# Altium PCB WS485H-V3.PcbDoc
Units mm, origin at the board's own origin, x right, y up, seen from the top; angles counter-clockwise.
Board outline 80.13 x 50.13 mm, 2 copper layers (TopLayer, BottomLayer); 104 components, 75 nets, 340 pads, 455 vias.
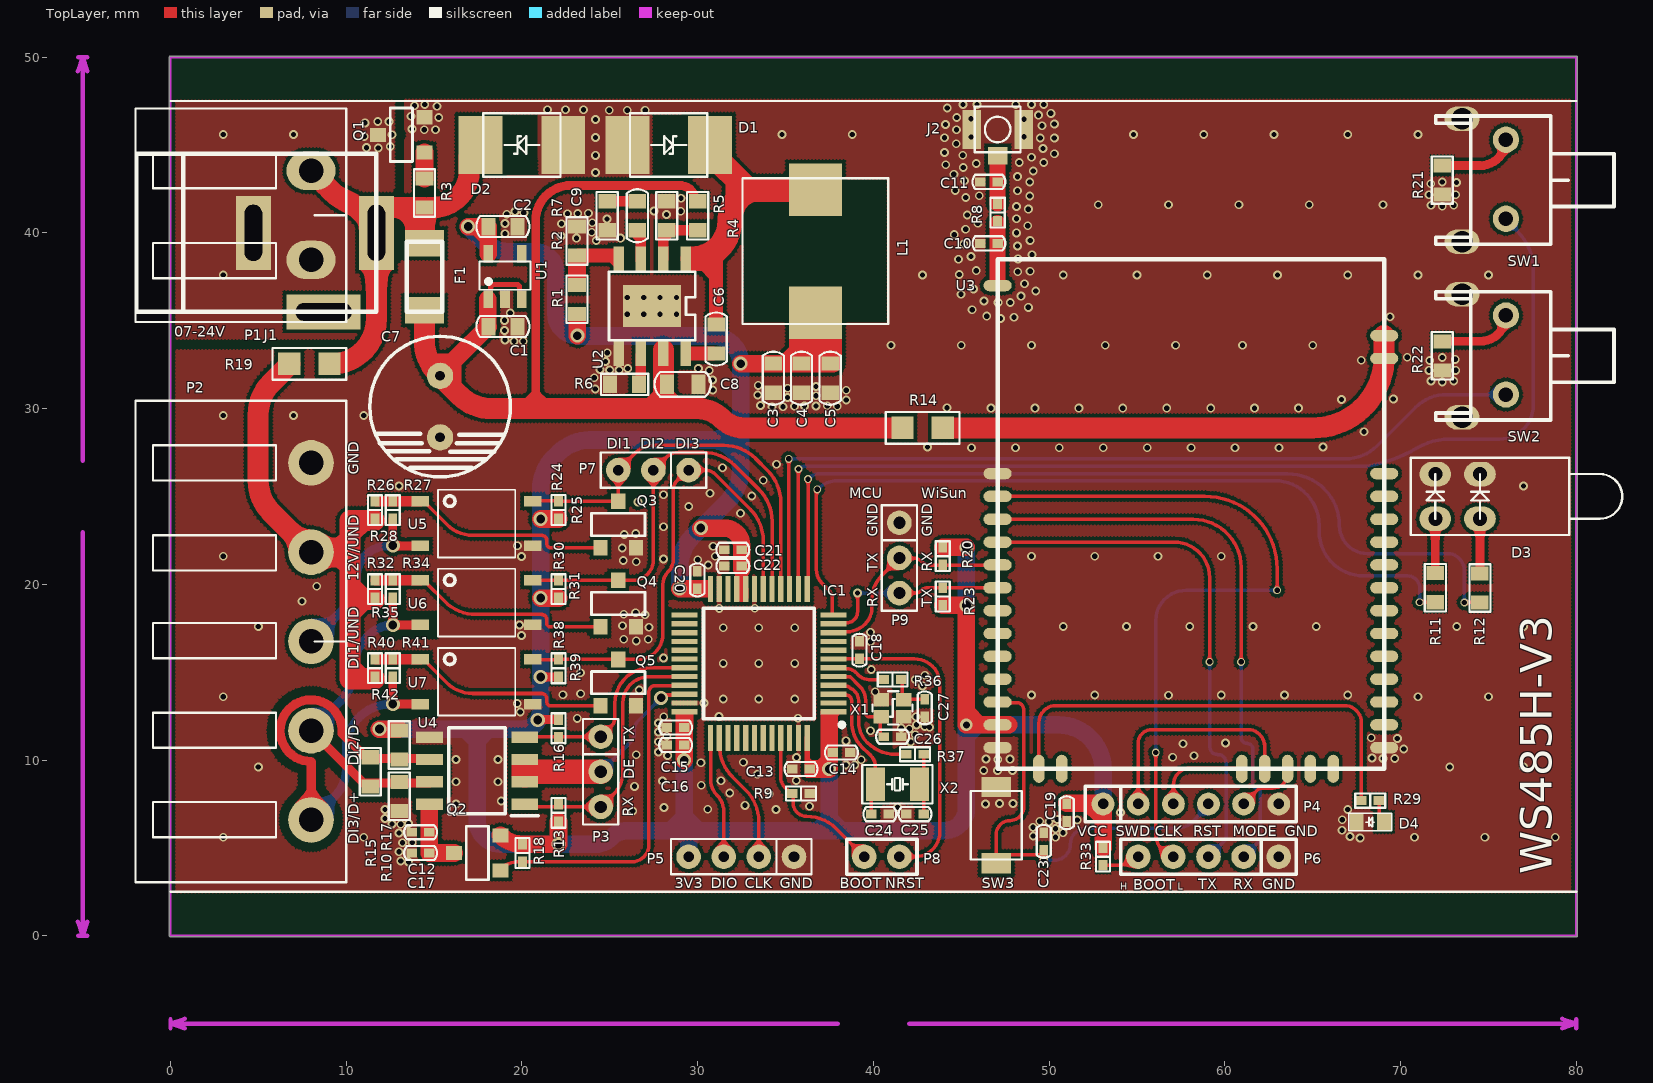
[diagram p0: TopLayer view]
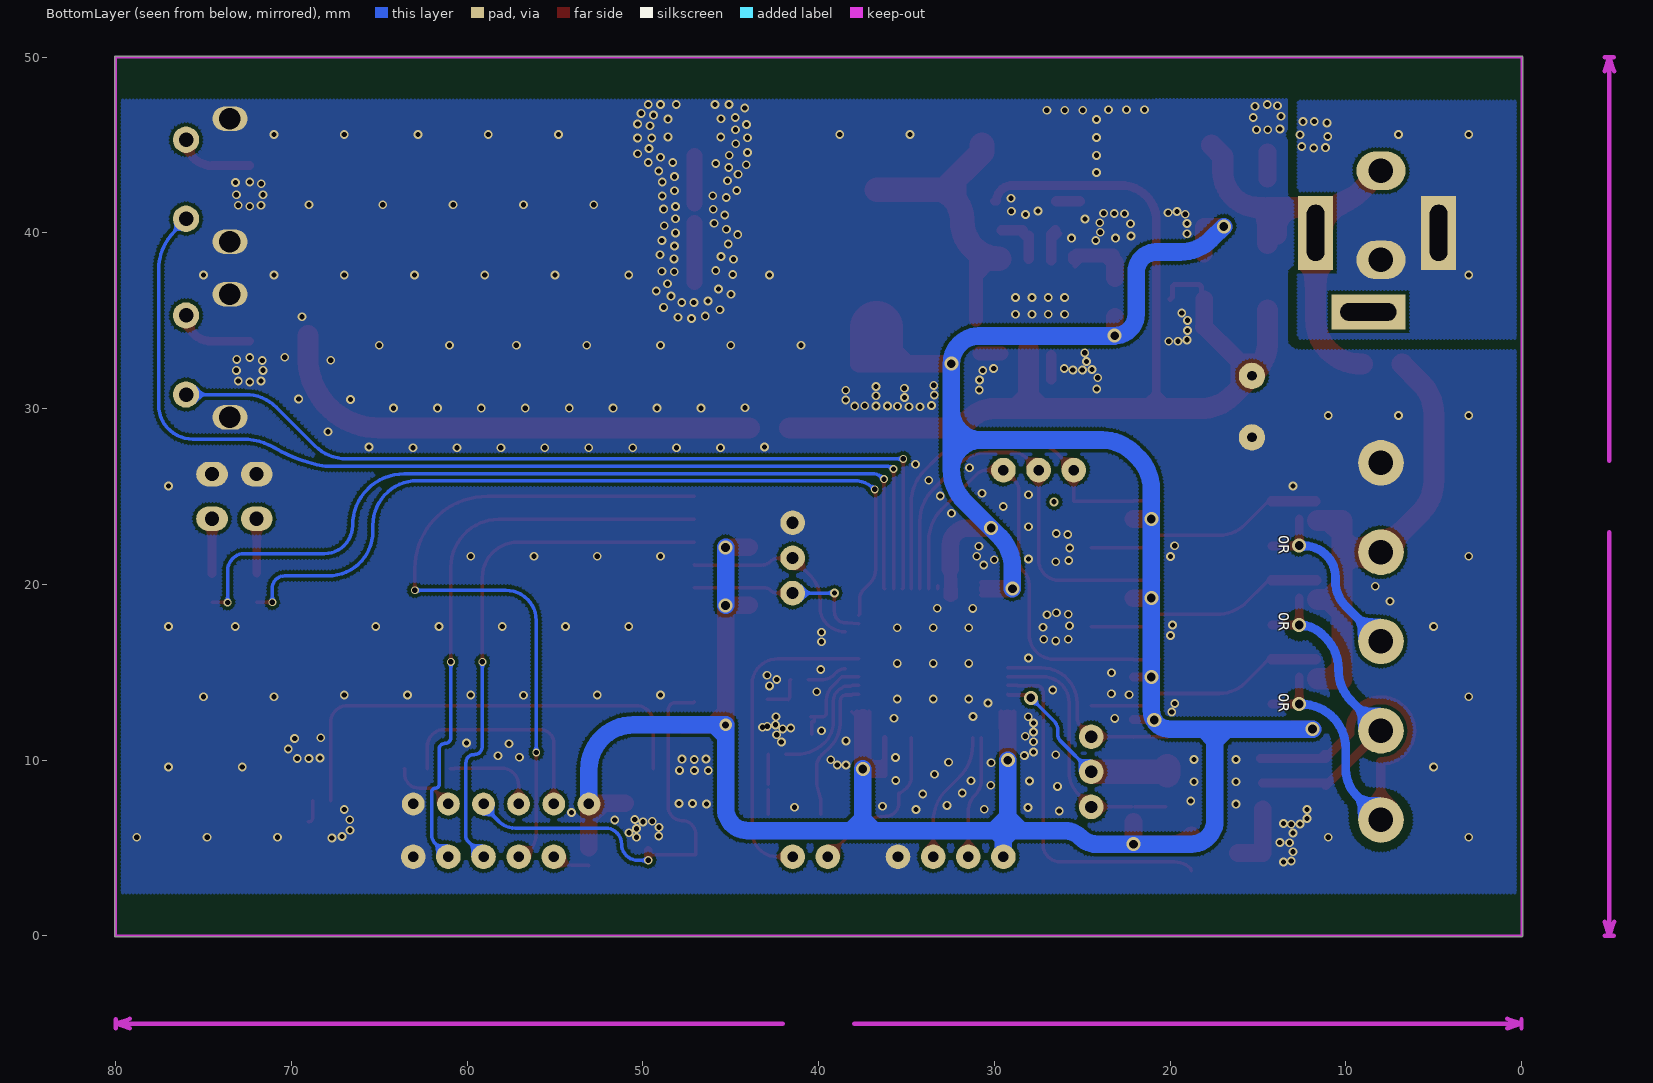
[diagram p1: BottomLayer view, seen from below]

## Layer stack, top to bottom
TopSolder: solder mask 0.0102, Solder Resist, Dk 3.5
TopLayer: signal copper 0.0356
Dielectric1: core 0.32, FR-4, Dk 4.8
BottomLayer: signal copper 0.0356
BottomSolder: solder mask 0.0102, Solder Resist, Dk 3.5

## Board outline
0,-0.064 cw(c0,0) -0.064,0 -0.064,50 cw(c0,50) 0,50.064 80,50.064 cw(c80,50) 80.064,50 80.064,0 cw(c80,0) 80,-0.064

## Design rules (kind name [scope] priority, off if disabled: settings)
Clearance Clearance_3 [InNet('GND') vs InNet('PGND')] p1: gap=0.5 ignorepadtopadclearanceinfootprint=FALSE except(0.2: Arc-Text Arc-Hole Track-Text Track-Hole SMDPad-Text SMDPad-Hole THPad-Text THPad-Hole Via-Text Via-Hole Fill-Text Fill-Hole Poly-Text Poly-Hole Region-Text Region-Hole Text-Text Text-Hole)
Clearance Clearance_2 [(InNet('D+')) vs (InNet('GND'))] p2: gap=0.5 ignorepadtopadclearanceinfootprint=FALSE except(0: Arc-Hole Track-Hole SMDPad-Hole THPad-Hole Via-Hole Fill-Hole Poly-Hole Region-Hole Text-Hole)
Clearance Clearance_1 [(InNet('D-')) vs (InNet('GND'))] p3: gap=0.5 ignorepadtopadclearanceinfootprint=FALSE except(0: Arc-Hole Track-Hole SMDPad-Hole THPad-Hole Via-Hole Fill-Hole Poly-Hole Region-Hole Text-Hole)
Clearance [All] p4: gap=0.2 ignorepadtopadclearanceinfootprint=FALSE except(0: Arc-Hole Track-Hole SMDPad-Hole THPad-Hole Via-Hole Fill-Hole Poly-Hole Region-Hole Text-Hole)
ComponentClearance [All] p1 off: gap=0.254 collisioncheckmode=3 verticalgap=0.254 showdistances=FALSE
DiffPairsRouting [(InNet('D+') AND InNet('D-'))] p1: maxlimit=0.152 minlimit=0.152 mostfreqgap=0.152 toplayer_minwidth=0.381 toplayer_maxwidth=0.381 toplayer_prefwidth=0.381 bottomlayer_minwidth=0.381 bottomlayer_maxwidth=0.381 bottomlayer_prefwidth=0.381 maxuncoupledlength=12.7
FabricationTestPointUsage TestPointUsage [All] p1: valid=0 allowmultiple=FALSE
FabricationTestpoint Testpoint [(IsPad And (OnTopLayer Or OnBottomLayer))] p1: side=3 testpointundercomponent=TRUE minsize=1.016 maxsize=2.54 preferedsize=1.524 minholesize=0.508 maxholesize=1.016 preferedholesize=0.813 testpointgrid=0.025 allowsidetop=TRUE allowsidebottom=TRUE usegrid=TRUE gridtolerance=0
HoleSize [All] p1: absolutevalues=TRUE maxlimit=5.5 minlimit=0.025 maxpercent=80.000 minpercent=20.000
HoleToHoleClearance [All] p1 off: gap=0.254 allowstackedmicrovias=TRUE
MinimumSolderMaskSliver [All] p1 off: minsoldermaskwidth=0.254
PolygonConnect [All] p1: connectstyle=Direct reliefconductorwidth=0.6 reliefentries=4 polygonreliefangle="90 Angle" airgapwidth=0.254
RoutingVias [All] p1: holewidth=0.4 width=0.7 viastyle="Through Hole" minholewidth=0.3 minwidth=0.5 maxholewidth=0.8 maxwidth=0.8
SilkToSilkClearance [All] p1 off: silktosilkclearance=0.254
SilkToSolderMaskClearance SilkscreenOverComponentPads [IsPad] p1 off: minsilkscreentomaskgap=0.254 clearancetoexposedcopper=TRUE
SolderMaskExpansion [All] p1: expansion=0.102 istentingtop=FALSE
Width Width_1 [(InNet('D+') AND InNet('D-'))] p1: maxlimit=0.261 minlimit=0.261 preferedwidth=0.261
Width [All] p2: maxlimit=5 minlimit=0.2 preferedwidth=0.8
21 further rules are at their usual default settings.

## Classes and differential pairs
component class WS485H-V3-BlockDiagram: *1 *2 *3 *4 *5 *6 *7 *8 *9 *10 *11 *12

## Components (designator, comment, footprint, x,y, rotation, side; value= is the part's Value field where it differs from the comment)
C1 "1uF" 0603C 18.915,34.667 r180 top
C2 "1uF" 0603C 18.915,40.358 r180 top
C3 "22uF/10V" 0603C 34.31,31.728 r90 top
C4 "1uF" 0603C 35.91,31.728 r90 top
C5 "0.1uF" 0603C 37.54,31.728 r90 top
C6 "0.1uF" 0603C 31.053,33.959 r90 top
C7 "100uF/25V" "DIP CAP-8*3.5" 15.34,31.86 r270 top
C8 "10uF/25V" 0805C 29.15,31.378 r180 top
C9 "150pF" 0603C 26.569,40.973 r270 top
C10 "0.1uF/NC" 0402C 46.57,39.402 r0 top
C11 "0.1uF/NC" 0402C 46.57,42.902 r0 top
C12 "0.1uF" 0402C 14.232,5.89 r0 top value=0.1uF/RS
C13 "0.1uF" 0402C 35.882,9.49 r0 top
C14 "0.1uF" 0402C 38.181,10.43 r180 top
C15 "0.1uF" 0402C 28.744,11.85 r180 top
C16 "4.7uf" 0402C 28.744,10.85 r180 top
C17 "0.1uF" 0402C 14.232,4.71 r0 top value=0.1uF/RS
C18 "0.1uF" 0402C 39.212,16.25 r90 top
C19 "0.1uF" 0402C 51.005,7 r90 top
C20 "0.1uF" 0402C 29.982,20.248 r270 top
C21 "1uF" 0402C 32,21.96 r180 top
C22 "10nf" 0402C 32,21.04 r180 top
C23 "0.1uF" 0402C 49.695,5.369 r90 top
C24 "10pF" 0402C 40.37,6.92 r0 top
C25 "10pF" 0402C 42.37,6.92 r180 top
C26 "8.2pF" 0402C 41.092,11.326 r0 top
C27 "8.2pF" 0402C 42.92,12.965 r270 top
D1 "SS34" SMBJ40CA(TVS) 28.35,45.001 r0 top
D2 "SMBJ24A 600W" SMBJ40CA(TVS) 20,45 r180 top
D3 "LED-TWO" LEDX2HOLD 73.25,25 r270 top
D4 "Green_LED" LED0603--0.4mm 68.275,6.474 r180 top
F1 "FUSE 1206 24V-1A" 1206-FUSE 14.455,37.5 r0 top
IC1 "STM32G431C8T6" QFP50P900X900X160-48N 33.482,15.5 r180 top
J1 "DC JACK-2.5T" "DC JACK-2.5T-NEW" 4.713,40 r270 top
J2 "I-PEX-CON" I-PEX-CON 47.07,44.384 r270 top
L1 "15uH" L8.3x8.3 36.7,38.957 r270 top
P1 "CON2-5.08mm" OQ5.08-90D-2P 8,41 r270 top
P2 "HD-515R8 5.08 pitch工業接線端子" OQ5.08-90D-5P 8,16.75 r270 top
P3 "PIN3" 3PIN-200#1 24.482,11.33 r270 top
P4 "6PIN-200" 6PIN-200 53.07,7.5 r0 top locked
P5 "4PIN-200" 4PIN-200 35.482,4.5 r180 top value=MicroUSB
P6 "5Pin-200" 5pin-200 63.07,4.5 r180 top
P7 "PIN3" 3PIN-200#2 29.482,26.5 r180 top
P8 "2PIN-200/NC" 2PIN-200 39.482,4.5 r0 top
P9 "PIN3" 3PIN-200#1 41.482,23.5 r270 top
Q1 "SM2404NSanC" SOT-23 13.134,45.58 r90 top value=2SK3664
Q2 "SM2403PSANC-TRG" SOT-23 17.46,4.71 r90 top value=SM2403PSANC-TRG/RS
Q3 "SM2404NSanC/GLS" SOT-23 25.482,23.404 r0 top value=2SK3664
Q4 "SM2404NSanC/GLS" SOT-23 25.482,18.904 r0 top value=2SK3664
Q5 "SM2404NSanC/GLS" SOT-23 25.482,14.404 r0 top value=2SK3664
R1 "120K 1%" 0603 23.134,36.215 r270 top
R2 "40.2K 1%" 0603 23.134,39.541 r270 top
R3 "10K" 0603 14.455,42.265 r270 top value=1K
R4 "100K" 0603 30,40.973 r90 top
R5 "24.9K" 0603 28.239,40.973 r270 top
R6 "100K" 0603 25.845,31.378 r0 top
R7 "100K" 0603 24.85,40.973 r90 top
R8 "0R" 0402 47.07,41.152 r90 top
R9 "10K" 0402 35.882,8.1 r180 top
R10 "3.3K" 0603 13.02,7.935 r90 top value=3.3K/RS
R11 "220R" 0603 71.98,19.805 r270 top
R12 "220R" 0603 74.52,19.79 r270 top
R13 "10K" 0402 22.082,6.995 r270 top value=10K/RS
R14 "0R" 0805 42.8,28.9 r0 top value=0R/NC
R15 "120R/NC" 0603 11.366,9.33 r90 top
R16 "10K" 0402 22.082,11.805 r90 top value=10K/RS
R17 "3.3K" 0603 13.02,10.856 r90 top value=3.3K/RS
R18 "100K" 0402 20.03,4.71 r90 top value=100K/RS
R19 "0R/RS" 0805 7.907,32.542 r180 top value=0R/NC
R20 "10K" 0402 43.946,21.6 r90 top
R21 "220R" 0603 72.375,43 r270 top
R22 "220R" 0603 72.375,33 r270 top
R23 "10K" 0402 43.946,19.302 r270 top
R24 "10K" 0402 22.082,24.225 r270 top value=10K/TCL
R25 "10K" 0402 22.082,24.225 r270 top value=10K/GLS
R26 "1K/TCL" 0402 11.635,24.222 r90 top value=1K
R27 "10K" 0402 12.651,24.222 r90 top value=10K/TCL
R28 "10K" 0402 12.651,24.222 r270 top value=10M/GLS
R29 "220R" 0402 68.275,7.689 r180 top
R30 "10K" 0402 22.082,19.725 r270 top value=10K/TCL
R31 "10K" 0402 22.082,19.725 r270 top value=10K/GLS
R32 "1K/TCL" 0402 11.635,19.725 r90 top value=1K
R33 "1K" 0402 53.07,4.5 r270 top
R34 "10K" 0402 12.651,19.725 r90 top value=10K/TCL
R35 "10K" 0402 12.651,19.725 r270 top value=10M/GLS
R36 "390R" 0402 41.092,14.579 r0 top
R37 "0R" 0402 42.37,10.324 r0 top
R38 "10K" 0402 22.082,15.225 r270 top value=10K/TCL
R39 "10K" 0402 22.082,15.225 r270 top value=10K/GLS
R40 "1K/TCL" 0402 11.635,15.226 r90 top value=1K
R41 "10K" 0402 12.651,15.226 r90 top value=10K/TCL
R42 "10K" 0402 12.651,15.226 r270 top value=10M/GLS
SW1 "DTSM63N" SW-AT-1102VT1-new 74.75,43 r90 top
SW2 "DTSM63N" SW-AT-1102VT1-new 74.75,33 r90 top
SW3 "Push  Button" Button_2pin-3*4*2MM 46.995,6.294 r270 top value=Switch-SMD-6x6mm
U1 "XC6223T331MR-G" SOT-23-5-0.95MM 19.04,37.567 r0 top
U2 "MP1584EN-LF-Z" SOIC8E_MP1584EN 27.404,35.834 r180 top
U3 "WS101A" WS101A 58.07,24.002 r0 top
U4 "MAX3485/RS" SOIC127P600X175-8N 17.445,9.395 r180 top
U5 "IS181/TCL" IS181-SMD 17.416,23.455 r0 top
U6 "IS181/TCL" IS181-SMD 17.416,18.955 r0 top
U7 "IS181/TCL" IS181-SMD 17.416,14.455 r0 top
X1 "16MHz / 8pF" XTAL-SMD-20X16 41.132,12.965 r0 top
X2 "32.768KHz / 12pF" XTAL-SMD-32*15 41.37,8.62 r0 top

## Footprints (in the part's own frame and the unit in brackets; to place one, negate y for a bottom-side part, rotate by r counter-clockwise, add the part's x,y. Pads: shape width x height; smd on the part's side, far side on the other; paste and mask are expansions set on the pad)
2PIN-200 [mm] "Connector; Header; 2 Position"
  round 1.4 hole 0.6: 1(0,0) 2(2,0)
  silkscreen extent -1,-1 3,1
3PIN-200#1 [mm]
  round 1.4 hole 0.7: 1(0,0) 2(2,0) 3(4,0)
  silkscreen extent -1,-1 5,1
3PIN-200#2 [mm]
  round 1.4 hole 0.6: 1(0,0) 2(2,0) 3(4,0)
  silkscreen extent -1,-1 5,1
4PIN-200 [mm]
  round 1.4 hole 0.6: 1(0,0) 2(2,0) 3(4,0) 4(6,0)
  silkscreen extent -1,-1 7,1
5pin-200 [mm]
  round 1.4 hole 0.6: 1(0,0) 2(2,0) 3(4,0) 4(6,0) 5(8,0)
  silkscreen extent -1,-1 9,1
6PIN-200 [mm]
  round 1.3 hole 0.6: 1(0,0) 2(2,0) 3(4,0) 4(6,0) 5(8,0) 6(10,0)
  silkscreen extent -1,-1 11,1
0402 [mm]
  rect 0.6x0.5 smd: 1(-0.5,0) 2(0.5,0)
  silkscreen extent -0.85,-0.4 0.85,0.4
0402C [mm]
  rect 0.6x0.5 smd: 1(-0.5,0) 2(0.5,0)
  silkscreen extent -0.94,-0.4 0.94,0.4
0603 [mm]
  rect 0.8x1 smd: 1(-0.826,0) 2(0.826,0)
  silkscreen extent -1.35,-0.6 1.35,0.6
0603C [mm]
  rect 0.8x1 smd: 1(-0.826,0) 2(0.826,0)
  silkscreen extent -1.51,-0.6 1.51,0.6
0805 [mil]
  rect 50x50 smd: 1(-45,0) 2(45,0)
  silkscreen extent -82,-35 83,35
0805C [mm] "0805C"
  rect 0.8x1.1 smd: 1(-0.9,0) 2(0.9,0)
  silkscreen extent -1.61,-0.7 1.61,0.7
1206-FUSE [mm] "1206-FUSE"
  rect 2.2x1.5 smd: 1(0,1.905) 2(0,-1.905)
  silkscreen extent -1,-2 1,2
Button_2pin-3*4*2MM [mm] "Button_2pin-3*4*2MM"
  rect 1.15x1.7 smd: 1(2.175,0) 2(-2.175,0)
  silkscreen extent -1.95,-1.45 1.95,1.45
"DC JACK-2.5T-NEW" [mm] "DC JACK-2.5T-NEW"
  rect 4.2x2 hole 1 slot 3.2 at 0 deg: 1(0,7) 2(0,0)
  rect 2x4.2 hole 1 slot 3.2 at 90 deg: 3(4.498,4.001)
  silkscreen extent -4.5,-6.65 4.5,7
"DIP CAP-8*3.5" [mm]
  round 1.5 hole 0.55: 1(0,0) 2(3.5,0)
  silkscreen extent -2.25,-4 5.75,4
I-PEX-CON [mm]
  rect 1x1.1 smd: 1(0,0)
  rect 2.2x1.05 smd: 2(-1.5,1.475) 2(-1.5,-1.475)
  silkscreen extent -2.8,-1.3 -0.2,1.3
IS181-SMD [mm] "IS181-SMD"
  rect 1x0.6 smd: 1(-3.2,1.27) 2(-3.2,-1.27) 3(3.2,-1.27) 4(3.2,1.27)
  silkscreen extent -2.2,-1.93 2.2,1.93
L8.3x8.3 [mm]
  rect 3x3 smd: 1(-3.5,0) 2(3.5,0)
  silkscreen extent -4.15,-4.15 4.15,4.15
LED0603--0.4mm [mm] "LED0603--0.4mm"
  rect 0.8x0.9 smd: 1(-0.775,0) 2(0.775,0)
  silkscreen extent -1.23,-0.5 1.23,0.5
LEDX2HOLD [mm]
  oval 1.4x1.8 hole 0.8: 1(1.27,1.27) 2(-1.27,1.27) 3(1.27,-1.27) 4(-1.27,-1.27)
  silkscreen extent -2.2,-2.67 2.2,9.37
OQ5.08-90D-2P [mm]
  oval 2.2x2.8 hole 1.4: 1(-2.54,0) 2(2.54,0)
  silkscreen extent -6.08,-10 6.08,2
OQ5.08-90D-5P [mm]
  round 2.6 hole 1.4: 1(-10.16,0) 2(-5.08,0) 3(0,0) 4(5.08,0) 5(10.16,0)
  silkscreen extent -13.7,-10 13.7,2
QFP50P900X900X160-48N [mm]
  rect 1.475x0.3 smd: 1(-4.238,2.75) 2(-4.238,2.25) 3(-4.238,1.75) 4(-4.238,1.25) 5(-4.238,0.75) 6(-4.238,0.25) 7(-4.238,-0.25) 8(-4.238,-0.75) 9(-4.238,-1.25) 10(-4.238,-1.75) 11(-4.238,-2.25) 12(-4.238,-2.75) 25(4.238,-2.75) 26(4.238,-2.25) 27(4.238,-1.75) 28(4.238,-1.25) 29(4.238,-0.75) 30(4.238,-0.25) 31(4.238,0.25) 32(4.238,0.75) 33(4.238,1.25) 34(4.238,1.75) 35(4.238,2.25) 36(4.238,2.75)
  rect 0.3x1.475 smd: 13(-2.75,-4.238) 14(-2.25,-4.238) 15(-1.75,-4.238) 16(-1.25,-4.238) 17(-0.75,-4.238) 18(-0.25,-4.238) 19(0.25,-4.238) 20(0.75,-4.238) 21(1.25,-4.238) 22(1.75,-4.238) 23(2.25,-4.238) 24(2.75,-4.238) 37(2.75,4.238) 38(2.25,4.238) 39(1.75,4.238) 40(1.25,4.238) 41(0.75,4.238) 42(0.25,4.238) 43(-0.25,4.238) 44(-0.75,4.238) 45(-1.25,4.238) 46(-1.75,4.238) 47(-2.25,4.238) 48(-2.75,4.238)
  silkscreen extent -4.85,-3.15 3.15,3.62, body extent -4.5,-4.5 4.5,4.5, height 1.6
SMBJ40CA(TVS) [mm] "SMBJ40CA(TVS)"
  rect 2.5x3.3 smd: 1(-2.35,0) 2(2.35,0)
  silkscreen extent -2.2,-1.81 2.2,1.81
SOIC8E_MP1584EN [mm] "SOIC8E_MP1584EN"
  rect 3.3x2.41 smd: 0(0,0)
  rect 0.6x1.4 smd: 1(-1.905,-2.7) 2(-0.635,-2.7) 3(0.635,-2.7) 4(1.905,-2.7) 5(1.905,2.7) 6(0.635,2.7) 7(-0.635,2.7) 8(-1.905,2.7)
  silkscreen extent -2.45,-1.95 2.45,1.95
SOIC127P600X175-8N [mm]
  rect 1.525x0.65 smd: 1(-2.712,1.905) 2(-2.712,0.635) 3(-2.712,-0.635) 4(-2.712,-1.905) 5(2.712,-1.905) 6(2.712,-0.635) 7(2.712,0.635) 8(2.712,1.905)
  silkscreen extent -3.47,-2.45 1.6,2.58, body extent -3,-2.45 3,2.45, height 1.75
SOT-23 [mm] "SOT-23"
  rect 0.8x0.9 smd: 1(-1,-1.321) 2(1,-1.321) 3(0,1.321)
  silkscreen extent -1.52,-0.64 1.52,0.64
SOT-23-5-0.95MM [mm] "SOT-23-5-0.95MM"
  rect 0.55x1 smd: 1(-0.95,-1.35) 2(0,-1.35) 3(0.95,-1.35) 4(0.95,1.25) 5(-0.95,1.25)
  silkscreen extent -1.45,-0.8 1.45,0.8
SW-AT-1102VT1-new [mm] "SW-AT-1102VT1-new"
  oval 1.4x2 hole 1.227: 0(-3.5,1.25) 0(3.5,1.25)
  round 1.5 hole 0.827: 1(-2.2,-1.25) 2(2.3,-1.25)
  silkscreen extent -3.65,-7.4 3.7,2.75
WS101A [mm] "Vertexcom"
  oval 1.6x0.65 smd: 1(-11,13) 2(-11,2.3) 3(-11,1) 4(-11,-0.3) 5(-11,-1.6) 6(-11,-2.9) 7(-11,-4.2) 8(-11,-5.5) 9(-11,-6.8) 10(-11,-8.1) 11(-11,-9.4) 12(-11,-10.7) 13(-11,-12) 14(-11,-13.3) 22(11,-13.3) 23(11,-12) 24(11,-10.7) 25(11,-9.4) 26(11,-8.1) 27(11,-6.8) 28(11,-5.5) 29(11,-4.2) 30(11,-2.9) 31(11,-1.6) 32(11,-0.3) 33(11,1) 34(11,2.3) 35(11,8.85) 36(11,10.15)
  oval 0.65x1.6 smd: 15(-8.65,-14.5) 16(-7.35,-14.5) 17(2.9,-14.5) 18(4.2,-14.5) 19(5.5,-14.5) 20(6.8,-14.5) 21(8.1,-14.5)
  silkscreen extent -11,-14.5 11,14.5
XTAL-SMD-20X16 [mm] "XTAL-SMD-20X16"
  rect 0.875x0.775 smd: 1(-0.675,-0.5) 2(0.6,0.475) 3(0.6,-0.5) 4(-0.675,0.475)
  silkscreen extent -1.18,-0.95 1.1,0.95
XTAL-SMD-32*15 [mm]
  rect 1.1x1.9 smd: 1(-1.25,0) 2(1.25,0)
  silkscreen extent -2,-1.1 2,1.1

## Part data
C1 C2 C3 C4 C5 C6 C8 C9 C13 C14 C15 C16 C17 C18 C20 C21 C22 C23: library part "Cap Semi", "Capacitor (Semiconductor SIM Model)", LatestRevisionDate=17-Jul-2002, LatestRevisionNote="Re-released for DXP Platform.", PackageReference=C1206, Published=8-Jun-2000, Publisher="Altium Limited"
C7: library part "C POL", Package Height=1.8mm, Part Number=53300833000, Rating=10V, Tolerance=20%, Bottom=20, PCB_dir=0.000000, PCB_loc=Top, PCB_x=19.129500, PCB_y=12.184000, Right=20
C10 C11 C12 C19 C24 C25 C26 C27: library part CAP, "Capacitor"
D1: library part "DIODE SCHOTTKY", "Schottky Diode"
D2: library part PESD5V0L1BA, "Zener Diode"
D4: library part LED, Manufacturer=Citizen, Manufacturer's Part Number=CL-170G-CD-T, Old Part Number=4317000, Package Height=1.1mm, Part Number=41100017000, VALUE_ALLEGRO=Red_LED, Bottom=20, Cost=0.48, FPLIST=mot/0805LED,dig/0805led, PCB_dir=90.000000, PCB_x=46.095000, PCB_y=6.420000, Right=40
F1: library part FUSE2, "Fuse"
IC1: "Integrated Circuit", Manufacturer_Name=STMicroelectronics, Datasheet Link=https://www.arrow.com/en/products/stm32g431c8t6/stmicroelectronics, Height=1.6mm, Manufacturer_Part_Number=STM32G431C8T6
J1: library part DCJACK-1, "Low Voltage Power Supply Connector"
J2 P1 P8: library part CON2, "Connector"
L1: library part Inductor, "Inductor", Code_IEC=1005, Code_JEITA=0402, LatestRevisionDate=17-Jul-2002, LatestRevisionNote="Re-released for DXP Platform.", PackageReference=0402-A, Published=8-Jun-2000, Publisher="Altium Limited"
P2: library part "Header 5", "Header, 5-Pin", LatestRevisionDate=17-Jul-2002, LatestRevisionNote="Re-released for DXP Platform.", Publisher="Altium Limited"
P3 P7 P9: "Connector"
P4: "Pin Header", LatestRevisionDate=17-Jul-2002, LatestRevisionNote="Re-released for DXP Platform.", Publisher="Altium Limited"
P5: library part CON4, "Connector"
P6: library part PIN5
Q1 Q3 Q4 Q5: library part "MOSFET N-1", "N-Channel Mosfet"
Q2: library part "MOSFET P-1", "P MOSFET"
R1 R2 R3 R4 R5 R6 R7 R8 R9 R10 R11 R12 R13 R14 R15 R16 R17 R18 R19 R20 R21 R22 R23 R24 R25 R26 R27 R28 R29 R30 R31 R32 R33 R34 R35 R36 R37 R38 R39 R40 R41 R42: library part "Res Semi", "Semiconductor Resistor"
  R1 R2 R3 R4 R5 R6 R7 R8 R9 R10 R11 R12 R13 R14 R15 R16 R17 R19 R20 R21 R22 R23 R24 R25 R26 R27 R28 R29 R30 R31 R32 R33 R34 R35 R36 R37 R38 R39 R40 R41 R42: LatestRevisionDate=17-Jul-2002, LatestRevisionNote="Re-released for DXP Platform.", PackageReference=AXIAL-0.5, Published=8-Jun-2000, Publisher="Altium Limited"
SW1 SW2: library part SW1
SW3: library part SW1, "Push Button"
U4: library part ISL3178EIBZ-T, "Integrated Circuit", Manufacturer_Name="Renesas Electronics", Datasheet Link=https://www.renesas.com/en-us/www/doc/datasheet/isl3170e-71e-72e-73e-74e-75e-76e-77e-78e.pdf, Height=1.75mm, Manufacturer_Part_Number=ISL3178EIBZ-T
U5 U6 U7: library part Optoisolator1, "4-Pin Phototransistor Optocoupler", DatasheetDocument=Nov-2003, LatestRevisionDate=04-Mar-2005, LatestRevisionNote="Sch pins 3 & 4 Swapped.", PackageReference=DIP-4, Published=24-Mar-1999, Publisher="Altium Limited"
X1: library part XTAL-SMD-25*32
X2: library part XTAL, Text Field1=20, Text Field2=20

## Via types
v1: diameter 0.5, hole 0.3, TopLayer to BottomLayer, tented both sides, 425 vias
v2: diameter 0.8, hole 0.5, TopLayer to BottomLayer, tented both sides, 19 vias
v3: diameter 0.45, hole 0.3, TopLayer to BottomLayer, tented both sides, 10 vias
v4: diameter 0.7, hole 0.4, TopLayer to BottomLayer, tented both sides, 1 vias

## Nets (pads, with @x,y where several pads share a name; then routed paths per layer and width w, separated by ;. In a path a pad name is that pad's centre, name@x,y a point inside that pad or via, vN(x,y) a via of type N, cw(c..) or ccw(c..) an arc to the next point about the centre after c; other vN are vias at no path point)
3V3: C2.2 C3.2 C4.2 C5.2 C13.2 C14.2 C15.1 C16.1 C19.2 C20.2 C21.1 C22.1 IC1.1 IC1.20 IC1.21 IC1.24 IC1.36 IC1.48 L1.2 P4.1 P5.4 Q2.2 R1.2 R13.2 R16.2 R17.2 R18.2 R20.2 R23.2 R24.2 R25.2 R30.2 R31.2 R33.1 R38.2 R39.2 U1.5 U3.13 | length 211.3
  TopLayer w0.2: 36.239,10.131 36.52,9.85 36.521,9.849 ; 36.839,9.859 37.121,10.141 ; 37.839,12.459 IC1.1@38.121,12.741
  TopLayer w0.3: v2@17.05,40.24 17.93,39.36 ; 28.894,11.84 IC1.36@28.894,12.738 ; 29.599,11.84 IC1.36@29.599,12.738 ; 30.372,19.392 IC1.24@30.732,19.392 ; 30.372,20.098 IC1.24@30.732,20.098 ; IC1.21@32.232,19.261 IC1.21 ; IC1.20@32.732,19.261 IC1.20 ; 36.23,9.85 36.232,9.85 ; IC1.48 36.232,9.85 ; C13.2@36.6,9.5 36.382,9.492 36.332,9.49 C13.2@36.232,9.59 ; 37.137,12.33 IC1.1@37.137,12.73 ; v2@37.361,9.85 36.52,9.85 36.232,9.85 ; v2@37.363,9.14 36.232,9.14 C13.2@36.232,9.59 ; 37.83,12.33 IC1.1@37.83,12.73 ; C13.2@36.232,9.59 36.232,9.85
  TopLayer w0.5: v2(20.9,12.285) cw(c20.948,12.237) 20.948,12.305 R16.2 ; v2(21.066,14.723) 22.08,14.723 R39.2
  TopLayer w0.6: 34.96,32.84 35.42,33.3 ; 45.56,12.73 46.02,12.27 ; 52.149,7.351 52.851,6.649
  TopLayer w0.75: 32.477,19.354 32.48,19.736 32.48,19.74 C22.1@32.489,21.04
  TopLayer w1: v2(11.89,11.758) R17.2@13.018,11.758 ; v2(16.942,40.358) C2.2 U1.5 ; Q2.2 ccw(c19.988,6.917) 19.988,5.21 R18.2 v2(22.082,5.21) R13.2 ; v2(21.066,19.216) 22.081,19.216 R31.2@22.082,19.215 ; v2(21.066,23.715) R25.2@22.082,23.715 ; R1.2@23.134,35.23 23.15,35.214 v2(23.15,34.15) ; v2(28.973,19.752) 29.979,19.745 C20.2 ; v2(29.232,9.991) 29.244,10.003 C16.1 29.244,11.25 29.248,11.85 29.249,11.987 29.249,12 29.252,12.378 ; C20.2@29.982,19.745 30.372,19.742 ; v2(30.18,23.2) 31.51,23.2 cw(c31.51,22.21) 32.296,22.811 cw(c31.51,22.21) 32.5,22.212 C21.1@32.5,21.962 ; v2(32.447,32.553) C3.2 C4.2 ; C22.1@32.5,20.87 C22.1 C21.1 ; C4.2@35.7,32.95 L1.2@35.7,33.966 ; C4.2@36.07,32.554 37.7,32.554 37.7,33.57 ; C13.2@36.6,9.5 v2(37.482,9.49) 37.482,12.4 ; R23.2 v2(45.293,18.8) v4(45.293,12.002) U3.13 U3.13@47.701,12.002 ; R20.2 v2(45.293,22.1) ; C19.2@51.005,7.544 53.07,7.544 P4.1 R33.1
  TopLayer w3: 36.7,33.57 L1.2@36.7,34.627
  BottomLayer w0.5: 31.482,5.751 cw(c31.806,5.751) 31.577,5.98
  BottomLayer w0.6: 16.592,11.648 17.294,10.946 ; 17.554,10.942 18.256,11.644 ; 28.415,6.208 29.117,6.91 ; 28.679,6.021 29.381,5.319 ; 29.377,6.906 30.079,6.204 ; 29.599,5.369 30.301,6.071 ; 36.671,6.094 37.374,6.796 ; 37.634,6.792 38.336,6.09 ; 45.402,11.186 46.104,11.888
  BottomLayer w1: v2(11.89,11.758) 17.445,11.758 ; v2(16.942,40.358) 17.646,39.654 ccw(c19.442,41.45) 19.442,38.91 20.78,38.91 cw(c20.78,37.76) 21.93,37.76 21.93,35.37 ccw(c23.15,35.37) v2(23.15,34.15) 23.17,34.13 30.87,34.13 cw(c30.87,32.553) v2@32.447,32.557 ; 25.09,5.594 cw(c24.161,6.524) 24.161,5.21 v2(22.082,5.21) 18.8,5.21 cw(c18.8,6.565) 17.445,6.565 17.445,11.758 ; 25.091,5.595 cw(c26.02,4.666) 26.02,5.98 31.577,5.98 36.671,5.98 37.482,5.98 ; v2(28.973,19.752) 28.973,20.941 cw(c31.513,20.941) 29.02,21.427 cw(c31.513,20.941) 29.717,22.737 v2(30.18,23.2) 31.703,24.723 ccw(c29.907,26.519) 32.447,26.519 ; 29.226,6.094 v2@29.226,9.985 ; P5.4 29.482,5.751 ; v2@32.447,32.557 v2(32.447,32.553) 32.447,29.901 ; v2(37.482,9.49) 37.482,5.98 ; v2(45.293,18.8) v2(45.293,22.1) ; P4.1 53.07,9.462 ccw(c50.53,9.462) 50.53,12.002 v4(45.293,12.002) 45.293,7.243 cw(c44.03,7.243) 44.03,5.98 37.482,5.98 ; 17.445,11.758 20.008,11.758 ccw(c20.008,12.816) 21.066,12.816 v2(21.066,14.723) v2(21.066,19.216) v2(21.066,23.715) 21.066,25.414 cw(c23.606,25.414) 21.81,27.21 22.056,27.456 cw(c23.876,25.636) 23.876,28.21 30.756,28.21 ; 30.756,28.21 cw(c30.756,26.519) 32.447,26.519 ; 30.756,28.21 ccw(c30.756,29.901) 32.447,29.901 ; 32.447,26.519 32.447,29.901
ADC1_IN1: IC1.8
ADC1_IN2: IC1.9
BACKUP-BUTTOM: U3.20
BOOT: P6.4 U3.3 | length 41.7
  TopLayer w0.2: U3.3 58.862,25.002 cw(c58.862,20.883) 62.98,20.883 v3(62.98,19.66) ; v3(56.07,10.434) 56.07,5.792 ccw(c57.444,5.792) P6.4@57.444,4.419